# KiCad board mse-68-vhdci-panel.kicad_pcb (continued)
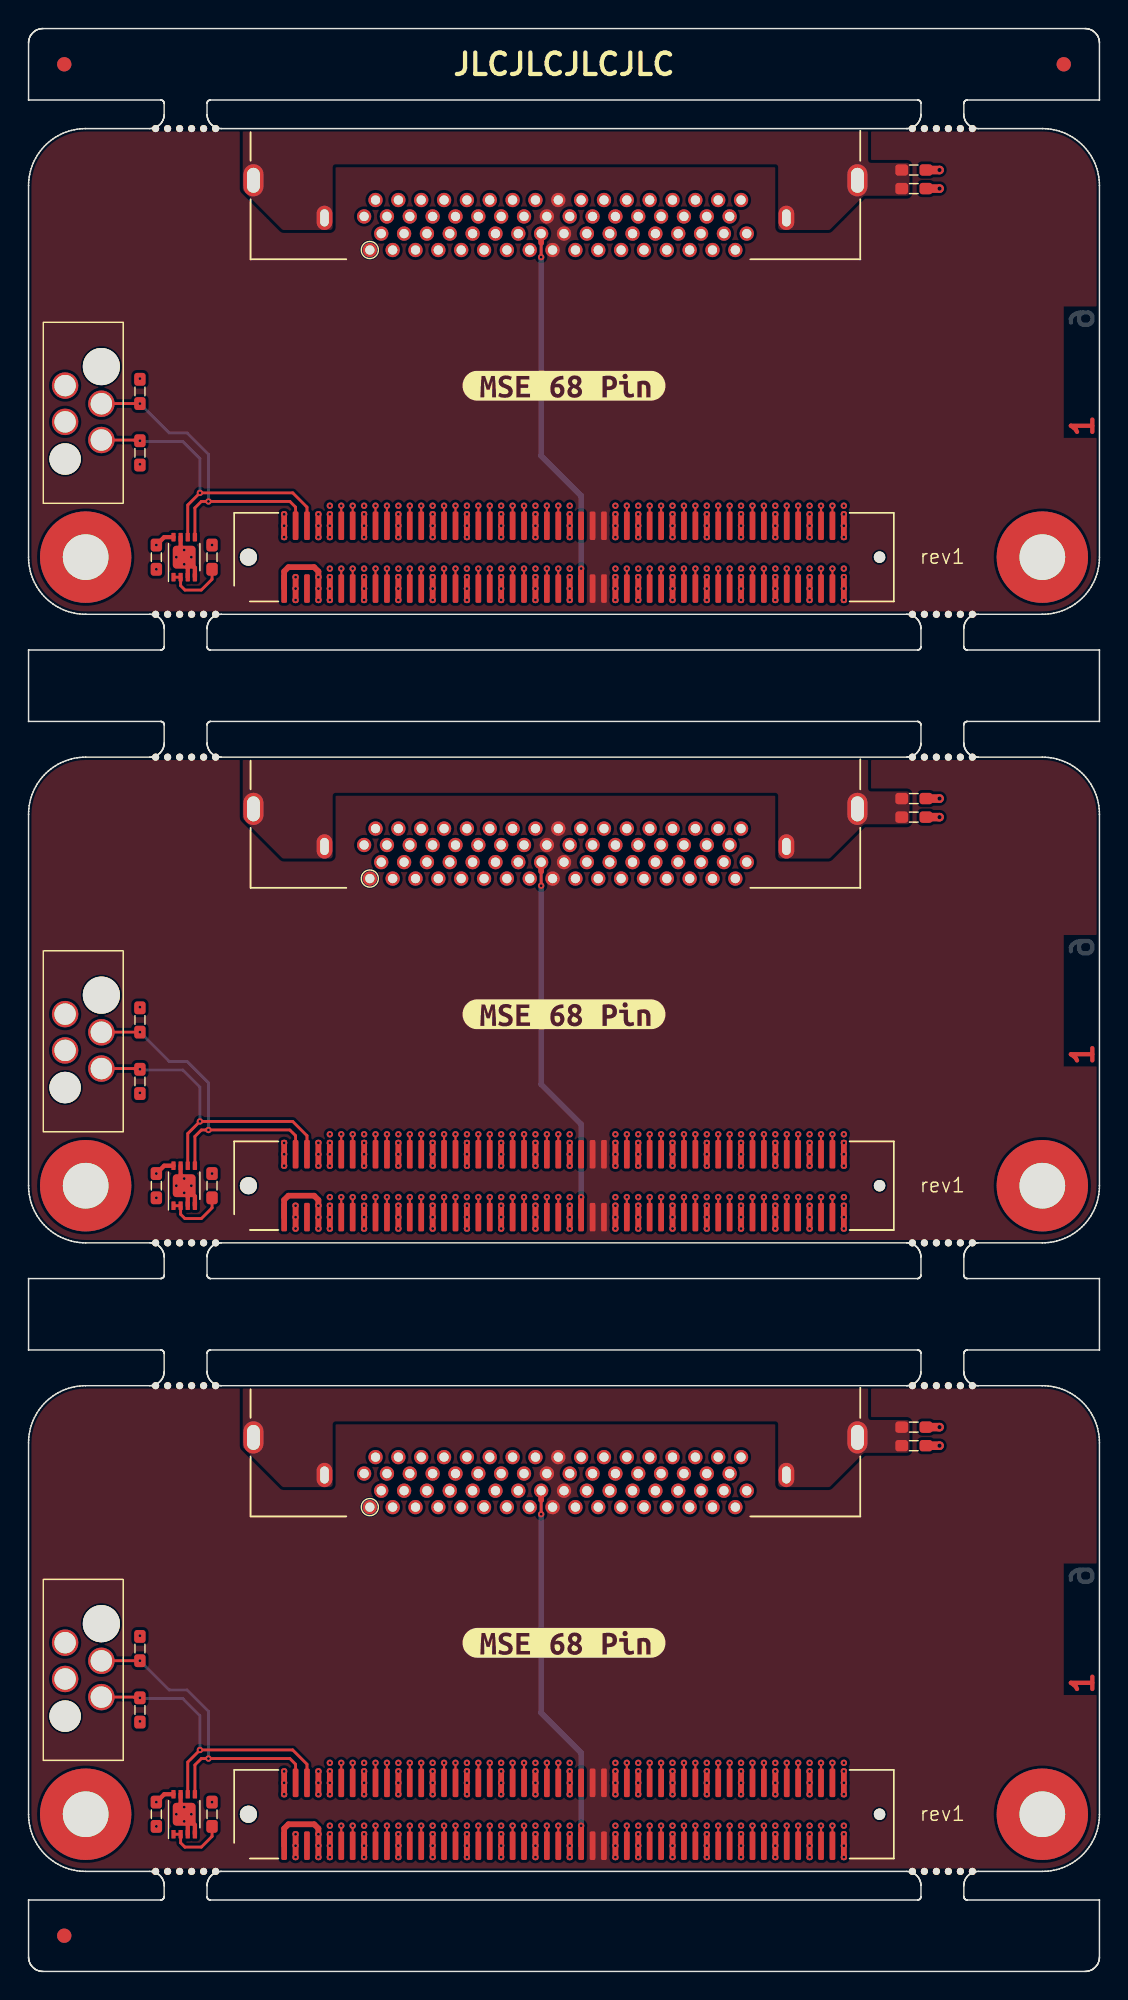
[diagram p0: board, top side]
## Routing (per net, layer and track width the routed paths; a pad name or vN(x,y) marks a point on that pad's centre or on a via; arc(x,y) is an arc through that point) (continued)
Board_0-/CON.I/O+: length 29.6
  Top w0.151: J1#2.85 v1(51.5,98.2)
  In3.Cu w0.151: v1(51.5,98.2) 51.1,98.6 51.1,103 47.3,106.8 47.3,109 arc(47.36,109.15) 47.51,109.22 arc(47.66,109.28) 47.73,109.43 47.73,109.6 arc(47.66,109.75) 47.51,109.82 arc(47.36,109.88) 47.3,110.03 47.3,110.2 arc(47.36,110.35) 47.51,110.42 arc(47.66,110.48) 47.73,110.63 47.73,110.8 arc(47.66,110.95) 47.51,111.02 arc(47.36,111.08) 47.3,111.23 47.3,111.4 arc(47.36,111.55) 47.51,111.62 arc(47.66,111.68) 47.73,111.83 47.73,112 arc(47.66,112.15) 47.51,112.22 arc(47.36,112.28) 47.3,112.43 47.3,112.6 arc(47.36,112.75) 47.51,112.82 arc(47.66,112.88) 47.73,113.03 47.73,113.2 arc(47.66,113.35) 47.51,113.42 arc(47.36,113.48) 47.3,113.63 47.3,113.8 arc(47.36,113.95) 47.51,114.02 arc(47.66,114.08) 47.73,114.23 47.73,114.4 arc(47.66,114.55) 47.51,114.62 arc(47.36,114.68) 47.3,114.83 47.3,115 arc(47.36,115.15) 47.51,115.22 arc(47.66,115.28) 47.73,115.43 47.73,115.6 arc(47.66,115.75) 47.51,115.82 arc(47.36,115.88) 47.3,116.03 47.3,120.1 47.1,120.3 J4#2.30
Board_0-/CON.I/O-: length 27
  Top w0.151: J1#2.86 v1(51.5,102.6)
  In2.Cu w0.151: v1(51.5,102.6) 47.3,106.8 47.3,109 arc(47.36,109.15) 47.51,109.21 arc(47.66,109.28) 47.72,109.43 47.72,109.6 arc(47.66,109.75) 47.51,109.81 arc(47.36,109.88) 47.3,110.03 47.3,110.2 arc(47.36,110.35) 47.51,110.41 arc(47.66,110.48) 47.72,110.63 47.72,110.8 arc(47.66,110.95) 47.51,111.01 arc(47.36,111.08) 47.3,111.23 47.3,111.4 arc(47.36,111.55) 47.51,111.61 arc(47.66,111.68) 47.72,111.83 47.72,112 arc(47.66,112.15) 47.51,112.21 arc(47.36,112.28) 47.3,112.43 47.3,112.6 arc(47.37,112.77) 47.54,112.84 47.55,112.84 arc(47.72,112.91) 47.79,113.08 47.79,113.2 arc(47.72,113.37) 47.55,113.44 47.54,113.44 arc(47.37,113.51) 47.3,113.68 47.3,120.7 46.5,121.5 46.5,122 46.7,122.2 J4#2.64
Board_0-/CON.MSG+: length 29.6
  Top w0.151: J1#2.73 v1(46.7,98.2)
  In3.Cu w0.151: J4#2.26 43.9,120.3 44.1,120.1 44.1,118.39 arc(44.16,118.26) 44.3,118.2 arc(44.44,118.14) 44.49,118 44.49,117.79 arc(44.44,117.66) 44.3,117.6 arc(44.16,117.54) 44.1,117.4 44.1,117.19 arc(44.16,117.06) 44.3,117 arc(44.44,116.94) 44.49,116.8 44.49,116.59 arc(44.44,116.46) 44.3,116.4 arc(44.16,116.34) 44.1,116.2 44.1,115.99 arc(44.16,115.86) 44.3,115.8 arc(44.44,115.74) 44.49,115.6 44.49,115.39 arc(44.44,115.26) 44.3,115.2 arc(44.16,115.14) 44.1,115 44.1,114.79 arc(44.16,114.66) 44.3,114.6 arc(44.44,114.54) 44.49,114.4 44.49,114.19 arc(44.44,114.06) 44.3,114 arc(44.16,113.94) 44.1,113.8 44.1,113.59 arc(44.16,113.46) 44.3,113.4 arc(44.44,113.34) 44.49,113.2 44.49,112.99 arc(44.44,112.86) 44.3,112.8 arc(44.16,112.74) 44.1,112.6 44.1,112.39 arc(44.16,112.26) 44.3,112.2 arc(44.44,112.14) 44.49,112 44.49,111.79 arc(44.44,111.66) 44.3,111.6 arc(44.16,111.54) 44.1,111.4 44.1,111.19 arc(44.16,111.06) 44.3,111 arc(44.44,110.94) 44.49,110.8 44.49,110.59 arc(44.44,110.46) 44.3,110.4 arc(44.16,110.34) 44.1,110.2 44.1,109.99 arc(44.16,109.86) 44.3,109.8 arc(44.44,109.74) 44.49,109.6 44.49,109.39 arc(44.44,109.26) 44.3,109.2 arc(44.16,109.14) 44.1,109 44.1,105.2 46.3,103 46.3,98.6 v1(46.7,98.2)
Board_0-/CON.MSG-: length 27
  Top w0.151: J1#2.74 v1(46.7,102.6)
  In2.Cu w0.151: v1(46.7,102.6) 44.1,105.2 44.1,109 arc(44.16,109.14) 44.3,109.2 arc(44.43,109.25) 44.49,109.39 44.49,109.6 arc(44.43,109.74) 44.3,109.8 arc(44.16,109.85) 44.1,109.99 44.1,110.2 arc(44.16,110.34) 44.3,110.4 arc(44.43,110.45) 44.49,110.59 44.49,110.8 arc(44.43,110.94) 44.3,111 arc(44.16,111.05) 44.1,111.19 44.1,111.4 arc(44.16,111.54) 44.3,111.6 arc(44.43,111.65) 44.49,111.79 44.49,112 arc(44.43,112.14) 44.3,112.2 arc(44.16,112.25) 44.1,112.39 44.1,112.6 arc(44.16,112.74) 44.3,112.8 arc(44.43,112.85) 44.49,112.99 44.49,113.2 arc(44.43,113.34) 44.3,113.4 arc(44.16,113.45) 44.1,113.59 44.1,113.8 arc(44.16,113.94) 44.3,114 arc(44.43,114.05) 44.49,114.19 44.49,114.4 arc(44.43,114.54) 44.3,114.6 arc(44.16,114.65) 44.1,114.79 44.1,115 arc(44.16,115.14) 44.3,115.2 arc(44.43,115.25) 44.49,115.39 44.49,115.6 arc(44.43,115.74) 44.3,115.8 arc(44.16,115.85) 44.1,115.99 44.1,120.7 43.3,121.5 43.3,122 43.5,122.2 J4#2.60
Board_0-/CON.REQ+: length 29.6
  Top w0.151: J1#2.83 v1(50.7,98.2)
  In3.Cu w0.151: v1(50.7,98.2) 50.39,98.51 50.39,102.91 46.9,106.4 46.9,109 arc(46.83,109.17) 46.66,109.24 46.64,109.24 arc(46.47,109.31) 46.4,109.48 46.4,109.6 arc(46.47,109.77) 46.64,109.84 46.66,109.84 arc(46.83,109.91) 46.9,110.08 46.9,110.2 arc(46.83,110.37) 46.66,110.44 46.64,110.44 arc(46.47,110.51) 46.4,110.68 46.4,110.8 arc(46.47,110.97) 46.64,111.04 46.66,111.04 arc(46.83,111.11) 46.9,111.28 46.9,111.4 arc(46.83,111.57) 46.66,111.64 46.64,111.64 arc(46.47,111.71) 46.4,111.88 46.4,112 arc(46.47,112.17) 46.64,112.24 46.66,112.24 arc(46.83,112.31) 46.9,112.48 46.9,112.6 arc(46.83,112.77) 46.66,112.84 46.64,112.84 arc(46.47,112.91) 46.4,113.08 46.4,113.2 arc(46.47,113.37) 46.64,113.44 46.66,113.44 arc(46.83,113.51) 46.9,113.68 46.9,113.8 arc(46.83,113.97) 46.66,114.04 46.64,114.04 arc(46.47,114.11) 46.4,114.28 46.4,114.4 arc(46.47,114.57) 46.64,114.64 46.66,114.64 arc(46.83,114.71) 46.9,114.88 46.9,115 arc(46.83,115.17) 46.66,115.24 46.64,115.24 arc(46.47,115.31) 46.4,115.48 46.4,115.6 arc(46.47,115.77) 46.64,115.84 46.66,115.84 arc(46.83,115.91) 46.9,116.08 46.9,116.2 arc(46.83,116.37) 46.66,116.44 46.64,116.44 arc(46.47,116.51) 46.4,116.68 46.4,116.8 arc(46.47,116.97) 46.64,117.04 46.66,117.04 arc(46.83,117.11) 46.9,117.28 46.9,119.9 J4#2.29
Board_0-/CON.REQ-: length 27
  Top w0.151: J1#2.84 v1(50.7,102.6)
  In2.Cu w0.151: J4#2.63 45.9,122.2 46.1,122 46.1,121.48 46.9,120.68 46.9,117.28 arc(46.83,117.11) 46.66,117.04 46.66,117.04 arc(46.49,116.97) 46.42,116.8 46.42,116.68 arc(46.49,116.51) 46.66,116.44 46.66,116.44 arc(46.83,116.37) 46.9,116.2 46.9,116.08 arc(46.83,115.91) 46.66,115.84 46.66,115.84 arc(46.49,115.77) 46.42,115.6 46.42,115.48 arc(46.49,115.31) 46.66,115.24 46.66,115.24 arc(46.83,115.17) 46.9,115 46.9,114.88 arc(46.83,114.71) 46.66,114.64 46.66,114.64 arc(46.49,114.57) 46.42,114.4 46.42,114.28 arc(46.49,114.11) 46.66,114.04 46.66,114.04 arc(46.83,113.97) 46.9,113.8 46.9,113.57 arc(46.85,113.44) 46.72,113.39 arc(46.59,113.33) 46.53,113.2 46.53,112.97 arc(46.59,112.84) 46.72,112.79 arc(46.85,112.73) 46.9,112.6 46.9,112.37 arc(46.85,112.24) 46.72,112.19 arc(46.59,112.13) 46.53,112 46.53,111.77 arc(46.59,111.64) 46.72,111.59 arc(46.85,111.53) 46.9,111.4 46.9,111.17 arc(46.85,111.04) 46.72,110.99 arc(46.59,110.93) 46.53,110.8 46.53,110.57 arc(46.59,110.44) 46.72,110.39 arc(46.85,110.33) 46.9,110.2 46.9,109.97 arc(46.85,109.84) 46.72,109.79 arc(46.59,109.73) 46.53,109.6 46.53,109.37 arc(46.59,109.24) 46.72,109.19 arc(46.85,109.13) 46.9,109 46.9,106.4 v1(50.7,102.6)
Board_0-/CON.RST+: length 29.6
  Top w0.151: J1#2.71 v1(45.9,98.2)
  In3.Cu w0.151: J4#2.25 43.7,119.9 43.7,118.67 arc(43.63,118.51) 43.46,118.44 arc(43.3,118.37) 43.23,118.2 43.23,118.07 arc(43.3,117.91) 43.46,117.84 arc(43.63,117.77) 43.7,117.6 43.7,117.47 arc(43.63,117.31) 43.46,117.24 arc(43.3,117.17) 43.23,117 43.23,116.87 arc(43.3,116.71) 43.46,116.64 arc(43.63,116.57) 43.7,116.4 43.7,116.27 arc(43.63,116.11) 43.46,116.04 arc(43.3,115.97) 43.23,115.8 43.23,115.67 arc(43.3,115.51) 43.46,115.44 arc(43.63,115.37) 43.7,115.2 43.7,115.07 arc(43.63,114.91) 43.46,114.84 arc(43.3,114.77) 43.23,114.6 43.23,114.47 arc(43.3,114.31) 43.46,114.24 arc(43.63,114.17) 43.7,114 43.7,113.87 arc(43.63,113.71) 43.46,113.64 arc(43.3,113.57) 43.23,113.4 43.23,113.27 arc(43.3,113.11) 43.46,113.04 arc(43.63,112.97) 43.7,112.8 43.7,112.67 arc(43.63,112.51) 43.46,112.44 arc(43.3,112.37) 43.23,112.2 43.23,112.07 arc(43.3,111.91) 43.46,111.84 arc(43.63,111.77) 43.7,111.6 43.7,111.47 arc(43.63,111.31) 43.46,111.24 arc(43.3,111.17) 43.23,111 43.23,110.87 arc(43.3,110.71) 43.46,110.64 arc(43.63,110.57) 43.7,110.4 43.7,110.27 arc(43.63,110.11) 43.46,110.04 arc(43.3,109.97) 43.23,109.8 43.23,109.67 arc(43.3,109.51) 43.46,109.44 arc(43.63,109.37) 43.7,109.2 43.7,108.96 arc(43.65,108.83) 43.52,108.78 arc(43.39,108.73) 43.34,108.6 43.34,108.36 arc(43.39,108.23) 43.52,108.18 arc(43.65,108.13) 43.7,108 43.7,104.8 45.59,102.91 45.59,102.41 45.6,102.4 45.59,102.39 45.59,98.51 v1(45.9,98.2)
Board_0-/CON.RST-: length 27
  Top w0.151: J1#2.72 v1(45.9,102.6)
  In2.Cu w0.151: v1(45.9,102.6) 43.7,104.8 43.7,108 arc(43.64,108.14) 43.51,108.19 arc(43.38,108.25) 43.32,108.38 43.32,108.6 arc(43.38,108.74) 43.51,108.79 arc(43.64,108.85) 43.7,108.98 43.7,109.2 arc(43.64,109.35) 43.49,109.42 arc(43.34,109.48) 43.27,109.63 43.27,109.8 arc(43.34,109.95) 43.49,110.02 arc(43.64,110.08) 43.7,110.23 43.7,110.4 arc(43.64,110.55) 43.49,110.62 arc(43.34,110.68) 43.27,110.83 43.27,111 arc(43.34,111.15) 43.49,111.22 arc(43.64,111.28) 43.7,111.43 43.7,111.6 arc(43.64,111.75) 43.49,111.82 arc(43.34,111.88) 43.27,112.03 43.27,112.2 arc(43.34,112.35) 43.49,112.42 arc(43.64,112.48) 43.7,112.63 43.7,112.8 arc(43.64,112.95) 43.49,113.02 arc(43.34,113.08) 43.27,113.23 43.27,113.4 arc(43.34,113.55) 43.49,113.62 arc(43.64,113.68) 43.7,113.83 43.7,114 arc(43.64,114.15) 43.49,114.22 arc(43.34,114.28) 43.27,114.43 43.27,114.6 arc(43.34,114.75) 43.49,114.82 arc(43.64,114.88) 43.7,115.03 43.7,115.2 arc(43.63,115.37) 43.46,115.44 43.45,115.44 arc(43.28,115.51) 43.21,115.68 43.21,115.8 arc(43.28,115.97) 43.45,116.04 43.46,116.04 arc(43.63,116.11) 43.7,116.28 43.7,116.4 arc(43.63,116.57) 43.46,116.64 43.45,116.64 arc(43.28,116.71) 43.21,116.88 43.21,117 arc(43.28,117.17) 43.45,117.24 43.46,117.24 arc(43.63,117.31) 43.7,117.48 43.7,120.68 42.9,121.48 42.9,122 42.7,122.2 J4#2.59
Board_0-/CON.SEL+: length 29.6
  Top w0.151: J1#2.77 v1(48.3,98.2)
  In3.Cu w0.151: v1(48.3,98.2) 48,98.5 48,102.9 45.3,105.6 45.3,109 arc(45.23,109.17) 45.06,109.24 45.06,109.24 arc(44.89,109.31) 44.82,109.48 44.82,109.6 arc(44.89,109.77) 45.06,109.84 45.06,109.84 arc(45.23,109.91) 45.3,110.08 45.3,110.2 arc(45.23,110.37) 45.06,110.44 45.06,110.44 arc(44.89,110.51) 44.82,110.68 44.82,110.8 arc(44.89,110.97) 45.06,111.04 45.06,111.04 arc(45.23,111.11) 45.3,111.28 45.3,111.4 arc(45.23,111.57) 45.06,111.64 45.06,111.64 arc(44.89,111.71) 44.82,111.88 44.82,112 arc(44.89,112.17) 45.06,112.24 45.06,112.24 arc(45.23,112.31) 45.3,112.48 45.3,112.6 arc(45.23,112.77) 45.06,112.84 45.06,112.84 arc(44.89,112.91) 44.82,113.08 44.82,113.2 arc(44.89,113.37) 45.06,113.44 45.06,113.44 arc(45.23,113.51) 45.3,113.68 45.3,113.8 arc(45.23,113.97) 45.06,114.04 45.06,114.04 arc(44.89,114.11) 44.82,114.28 44.82,114.4 arc(44.89,114.57) 45.06,114.64 45.06,114.64 arc(45.23,114.71) 45.3,114.88 45.3,115 arc(45.23,115.17) 45.06,115.24 45.06,115.24 arc(44.89,115.31) 44.82,115.48 44.82,115.6 arc(44.89,115.77) 45.06,115.84 45.06,115.84 arc(45.23,115.91) 45.3,116.08 45.3,116.2 arc(45.23,116.37) 45.06,116.44 45.06,116.44 arc(44.89,116.51) 44.82,116.68 44.82,116.8 arc(44.89,116.97) 45.06,117.04 45.06,117.04 arc(45.23,117.11) 45.3,117.28 45.3,117.4 arc(45.23,117.57) 45.06,117.64 45.06,117.64 arc(44.89,117.71) 44.82,117.88 44.82,118 arc(44.89,118.17) 45.06,118.24 45.06,118.24 arc(45.23,118.31) 45.3,118.48 45.3,119.9 J4#2.27
Board_0-/CON.SEL-: length 27
  Top w0.151: J1#2.78 v1(48.3,102.6)
  In2.Cu w0.151: v1(48.3,102.6) 45.3,105.6 45.3,109 arc(45.23,109.16) 45.07,109.23 arc(44.91,109.3) 44.84,109.46 44.84,109.6 arc(44.91,109.76) 45.07,109.83 arc(45.23,109.9) 45.3,110.06 45.3,110.2 arc(45.23,110.36) 45.07,110.43 arc(44.91,110.5) 44.84,110.66 44.84,110.8 arc(44.91,110.96) 45.07,111.03 arc(45.23,111.1) 45.3,111.26 45.3,111.4 arc(45.23,111.56) 45.07,111.63 arc(44.91,111.7) 44.84,111.86 44.84,112 arc(44.91,112.16) 45.07,112.23 arc(45.23,112.3) 45.3,112.46 45.3,112.6 arc(45.23,112.76) 45.07,112.83 arc(44.91,112.9) 44.84,113.06 44.84,113.2 arc(44.91,113.36) 45.07,113.43 arc(45.23,113.5) 45.3,113.66 45.3,113.8 arc(45.23,113.96) 45.07,114.03 arc(44.91,114.1) 44.84,114.26 44.84,114.4 arc(44.91,114.56) 45.07,114.63 arc(45.23,114.7) 45.3,114.86 45.3,115 arc(45.23,115.16) 45.07,115.23 arc(44.91,115.3) 44.84,115.46 44.84,115.6 arc(44.91,115.76) 45.07,115.83 arc(45.23,115.9) 45.3,116.06 45.3,116.2 arc(45.23,116.36) 45.07,116.43 arc(44.91,116.5) 44.84,116.66 44.84,116.8 arc(44.91,116.96) 45.07,117.03 arc(45.23,117.1) 45.3,117.26 45.3,120.68 44.5,121.48 44.5,122 44.3,122.2 J4#2.61
Board_0-/PHY.ID_SCL: length 22.5
  Top w0.2: U1.6 11.15,102.65 v1(12,103.5) 18.5,103.5 19.5,102.5 J1#2.6 ; v1(7.8,107.15) 7.45,107.15 7.4,107.2 J3.4
  Bottom w0.2: v1(7.8,107.15) 7.85,107.1 10.8,107.1 12,105.9 v1(12,103.5)
Board_0-/PHY.ID_SDA: length 23
  Top w0.2: J3.2 5.11,109.75 v1(7.8,109.75) ; U1.5 11.65,102.45 12.1,102.9 18.3,102.9 18.7,102.5 J1#2.4
  Bottom w0.2: v1(7.8,109.75) 9.85,107.7 11.1,107.7 12.6,106.2 v1(12.6,102.9)
Board_0-GND: length 9.9
  Top w0.3: U1.4 11.65,98.25 U1.EP ; U1.3 11.15,98.25 v1(10.9,98.5) ; U1.7 10.65,99.75 v1(10.9,99.5)
  Top w0.4: J1#2.1 17.9,98 18.2,98.3 20,98.3 20.3,98 v1(20.3,97.6)
  Top w0.6: C2#2.1 v2(63.8,126.1) ; R4#2.2 v2(63.8,124.8)
  vias: v1(8.95,98.15) v1(10.35,99) v1(11.4,99) v1(17.9,102) v1(17.9,101.2) v1(17.9,100.4) v1(20.3,102) v1(20.3,101.2) v1(20.3,100.4) v1(20.3,96.8) v1(20.3,96) v1(21.1,102.6) v1(21.1,102) v1(21.1,101.2) v1(21.1,100.4) v1(21.1,98.2) v1(21.1,97.6) v1(21.1,96.8) v1(21.1,96) v1(23.5,102.6) v1(23.5,102) v1(23.5,101.2) v1(23.5,100.4) v1(23.5,98.2) v1(23.5,97.6) v1(23.5,96.8) v1(23.5,96) v1(25.9,102.6) v1(25.9,102) v1(25.9,101.2) v1(25.9,100.4) v1(25.9,98.2) v1(25.9,97.6) v1(25.9,96.8) v1(25.9,96) v1(28.3,102.6) v1(28.3,102) v1(28.3,101.2) v1(28.3,100.4) v1(28.3,98.2) v1(28.3,97.6) v1(28.3,96.8) v1(28.3,96) v1(30.7,102.6) v1(30.7,102) v1(30.7,101.2) v1(30.7,100.4) v1(30.7,98.2) v1(30.7,97.6) v1(30.7,96.8) v1(30.7,96) v1(33.1,102.6) v1(33.1,102) v1(33.1,101.2) v1(33.1,100.4) v1(33.1,98.2) v1(33.1,97.6) v1(33.1,96.8) v1(33.1,96) v1(35.5,102.6) v1(35.5,102) v1(35.5,101.2) v1(35.5,100.4) v1(35.5,98.2) v1(35.5,97.6) v1(35.5,96.8) v1(35.5,96) v1(37.9,102.6) v1(37.9,102) v1(37.9,101.2) v1(37.9,100.4) v1(37.9,98.2) v1(37.9,97.6) v1(37.9,96.8) v1(37.9,96) v1(41.1,102.6) v1(41.1,102) v1(41.1,101.2) v1(41.1,100.4) v1(41.1,98.2) v1(41.1,97.6) v1(41.1,96.8) v1(41.1,96) v1(42.7,102.6) v1(42.7,102) v1(42.7,101.2) v1(42.7,100.4) v1(42.7,98.2) v1(42.7,97.6) v1(42.7,96.8) v1(42.7,96) v1(45.1,102.6) v1(45.1,102) v1(45.1,101.2) v1(45.1,100.4) v1(45.1,98.2) v1(45.1,97.6) v1(45.1,96.8) v1(45.1,96) v1(47.5,102.6) v1(47.5,102) v1(47.5,101.2) v1(47.5,100.4) v1(47.5,98.2) v1(47.5,97.6) v1(47.5,96.8) v1(47.5,96) v1(49.9,102.6) v1(49.9,102) v1(49.9,101.2) v1(49.9,100.4) v1(49.9,98.2) v1(49.9,97.6) v1(49.9,96.8) v1(49.9,96) v1(52.3,102.6) v1(52.3,102) v1(52.3,101.2) v1(52.3,100.4) v1(52.3,98.2) v1(52.3,97.6) v1(52.3,96.8) v1(52.3,96) v1(54.7,102.6) v1(54.7,102) v1(54.7,101.2) v1(54.7,100.4) v1(54.7,98.2) v1(54.7,97.6) v1(54.7,96.8) v1(54.7,96) v1(57.1,102.6) v1(57.1,102) v1(57.1,101.2) v1(57.1,100.4) v1(57.1,98.2) v1(57.1,97.6) v1(57.1,96.8) v1(57.1,96)
Board_0-Net-(U1-E0): length 4.4
  Top w0.2: R1#3.1 12.85,97.45 12.1,96.7 10.95,96.7 10.65,97 U1.2 U1.1
Board_1-+3V3: length 1.4
  Top w0.3: v1(8.95,55.85) 9.5,56.4 U1#3.8
  vias: v1(7.8,67.5) v1(7.8,61.5) v1(12.85,55.85) v1(18.7,53.6) v1(18.7,52.8) v1(18.7,52)
Board_1-/CON.ACK+: length 29.6
  Top w0.151: J1#3.67 v1(44.3,54.2)
  In3.Cu w0.151: v1(44.3,54.2) 43.9,54.6 43.9,59 42.5,60.4 42.5,64 arc(42.57,64.17) 42.74,64.24 42.74,64.24 arc(42.91,64.31) 42.98,64.48 42.98,64.6 arc(42.91,64.77) 42.74,64.84 42.74,64.84 arc(42.57,64.91) 42.5,65.08 42.5,65.2 arc(42.56,65.35) 42.71,65.41 arc(42.86,65.47) 42.92,65.62 42.92,65.8 arc(42.86,65.95) 42.71,66.01 arc(42.56,66.07) 42.5,66.22 42.5,66.4 arc(42.56,66.55) 42.71,66.61 arc(42.86,66.67) 42.92,66.82 42.92,67 arc(42.86,67.15) 42.71,67.21 arc(42.56,67.27) 42.5,67.42 42.5,67.6 arc(42.56,67.75) 42.71,67.81 arc(42.86,67.87) 42.92,68.02 42.92,68.2 arc(42.86,68.35) 42.71,68.41 arc(42.56,68.47) 42.5,68.62 42.5,68.8 arc(42.56,68.95) 42.71,69.01 arc(42.86,69.07) 42.92,69.22 42.92,69.4 arc(42.86,69.55) 42.71,69.61 arc(42.56,69.67) 42.5,69.82 42.5,70 arc(42.56,70.15) 42.71,70.21 arc(42.86,70.27) 42.92,70.42 42.92,70.6 arc(42.86,70.75) 42.71,70.81 arc(42.56,70.87) 42.5,71.02 42.5,71.2 arc(42.56,71.35) 42.71,71.41 arc(42.86,71.47) 42.92,71.62 42.92,71.8 arc(42.86,71.95) 42.71,72.01 arc(42.56,72.07) 42.5,72.22 42.5,72.4 arc(42.56,72.55) 42.71,72.61 arc(42.86,72.67) 42.92,72.82 42.92,73 arc(42.86,73.15) 42.71,73.21 arc(42.56,73.27) 42.5,73.42 42.5,76.1 42.3,76.3 J4#3.24
Board_1-/CON.ACK-: length 27
  Top w0.151: J1#3.68 v1(44.3,58.6)
  In2.Cu w0.151: v1(44.3,58.6) 42.5,60.4 42.5,64 arc(42.57,64.17) 42.74,64.24 42.75,64.24 arc(42.92,64.31) 42.99,64.48 42.99,64.6 arc(42.92,64.77) 42.75,64.84 42.74,64.84 arc(42.57,64.91) 42.5,65.08 42.5,65.2 arc(42.56,65.35) 42.71,65.42 arc(42.87,65.48) 42.93,65.63 42.93,65.8 arc(42.87,65.95) 42.71,66.02 arc(42.56,66.08) 42.5,66.23 42.5,66.4 arc(42.56,66.55) 42.71,66.62 arc(42.87,66.68) 42.93,66.83 42.93,67 arc(42.87,67.15) 42.71,67.22 arc(42.56,67.28) 42.5,67.43 42.5,67.6 arc(42.56,67.75) 42.71,67.82 arc(42.87,67.88) 42.93,68.03 42.93,68.2 arc(42.87,68.35) 42.71,68.42 arc(42.56,68.48) 42.5,68.63 42.5,68.8 arc(42.56,68.95) 42.71,69.02 arc(42.87,69.08) 42.93,69.23 42.93,69.4 arc(42.87,69.55) 42.71,69.62 arc(42.56,69.68) 42.5,69.83 42.5,70 arc(42.56,70.15) 42.71,70.22 arc(42.87,70.28) 42.93,70.43 42.93,70.6 arc(42.87,70.75) 42.71,70.82 arc(42.56,70.88) 42.5,71.03 42.5,76.7 41.7,77.5 41.7,78 41.9,78.2 J4#3.58
Board_1-/CON.ATN+: length 29.6
  Top w0.151: J1#3.61 v1(41.9,54.2)
  In3.Cu w0.151: v1(41.9,54.2) 41.6,54.5 41.6,58.9 40.5,60 40.5,64 arc(40.43,64.17) 40.26,64.24 40.25,64.24 arc(40.08,64.31) 40.01,64.48 40.01,64.6 arc(40.08,64.77) 40.25,64.84 40.26,64.84 arc(40.43,64.91) 40.5,65.08 40.5,65.2 arc(40.43,65.37) 40.26,65.44 40.25,65.44 arc(40.08,65.51) 40.01,65.68 40.01,65.8 arc(40.08,65.97) 40.25,66.04 40.26,66.04 arc(40.43,66.11) 40.5,66.28 40.5,66.4 arc(40.43,66.57) 40.26,66.64 40.25,66.64 arc(40.08,66.71) 40.01,66.88 40.01,67 arc(40.08,67.17) 40.25,67.24 40.26,67.24 arc(40.43,67.31) 40.5,67.48 40.5,67.6 arc(40.43,67.77) 40.26,67.84 40.25,67.84 arc(40.08,67.91) 40.01,68.08 40.01,68.2 arc(40.08,68.37) 40.25,68.44 40.26,68.44 arc(40.43,68.51) 40.5,68.68 40.5,68.8 arc(40.43,68.97) 40.26,69.04 40.25,69.04 arc(40.08,69.11) 40.01,69.28 40.01,69.4 arc(40.08,69.57) 40.25,69.64 40.26,69.64 arc(40.43,69.71) 40.5,69.88 40.5,70 arc(40.43,70.17) 40.26,70.24 40.25,70.24 arc(40.08,70.31) 40.01,70.48 40.01,70.6 arc(40.08,70.77) 40.25,70.84 40.26,70.84 arc(40.43,70.91) 40.5,71.08 40.5,71.2 arc(40.43,71.37) 40.26,71.44 40.25,71.44 arc(40.08,71.51) 40.01,71.68 40.01,71.8 arc(40.08,71.97) 40.25,72.04 40.26,72.04 arc(40.43,72.11) 40.5,72.28 40.5,72.4 arc(40.43,72.57) 40.26,72.64 40.25,72.64 arc(40.08,72.71) 40.01,72.88 40.01,73 arc(40.08,73.17) 40.25,73.24 40.26,73.24 arc(40.43,73.31) 40.5,73.48 40.5,73.6 arc(40.43,73.77) 40.26,73.84 40.25,73.84 arc(40.08,73.91) 40.01,74.08 40.01,74.2 arc(40.08,74.37) 40.25,74.44 40.26,74.44 arc(40.43,74.51) 40.5,74.68 40.5,75.9 J4#3.21
Board_1-/CON.ATN-: length 27
  Top w0.151: J1#3.62 v1(41.9,58.6)
  In2.Cu w0.151: J4#3.55 39.5,78.2 39.7,78 39.7,77.5 40.5,76.7 40.5,73.48 arc(40.43,73.31) 40.26,73.24 arc(40.1,73.17) 40.03,73 40.03,72.88 arc(40.1,72.71) 40.26,72.64 arc(40.43,72.57) 40.5,72.4 40.5,72.28 arc(40.43,72.11) 40.26,72.04 arc(40.1,71.97) 40.03,71.8 40.03,71.68 arc(40.1,71.51) 40.26,71.44 arc(40.43,71.37) 40.5,71.2 40.5,71.08 arc(40.43,70.91) 40.26,70.84 arc(40.1,70.77) 40.03,70.6 40.03,70.48 arc(40.1,70.31) 40.26,70.24 arc(40.43,70.17) 40.5,70 40.5,69.88 arc(40.43,69.71) 40.26,69.64 arc(40.1,69.57) 40.03,69.4 40.03,69.28 arc(40.1,69.11) 40.26,69.04 arc(40.43,68.97) 40.5,68.8 40.5,68.68 arc(40.43,68.51) 40.26,68.44 arc(40.1,68.37) 40.03,68.2 40.03,68.08 arc(40.1,67.91) 40.26,67.84 arc(40.43,67.77) 40.5,67.6 40.5,67.48 arc(40.43,67.31) 40.26,67.24 arc(40.1,67.17) 40.03,67 40.03,66.88 arc(40.1,66.71) 40.26,66.64 arc(40.43,66.57) 40.5,66.4 40.5,66.28 arc(40.43,66.11) 40.26,66.04 arc(40.1,65.97) 40.03,65.8 40.03,65.68 arc(40.1,65.51) 40.26,65.44 arc(40.43,65.37) 40.5,65.2 40.5,65.08 arc(40.43,64.91) 40.26,64.84 arc(40.1,64.77) 40.03,64.6 40.03,64.48 arc(40.1,64.31) 40.26,64.24 arc(40.43,64.17) 40.5,64 40.5,60 v1(41.9,58.6)
Board_1-/CON.BSY+: length 29.6
  Top w0.151: J1#3.65 v1(43.5,54.2)
  In3.Cu w0.151: J4#3.23 42.1,75.9 42.1,74.68 arc(42.03,74.51) 41.86,74.44 41.85,74.44 arc(41.68,74.37) 41.61,74.2 41.61,74.08 arc(41.68,73.91) 41.85,73.84 41.86,73.84 arc(42.03,73.77) 42.1,73.6 42.1,73.48 arc(42.03,73.31) 41.86,73.24 41.85,73.24 arc(41.68,73.17) 41.61,73 41.61,72.88 arc(41.68,72.71) 41.85,72.64 41.86,72.64 arc(42.03,72.57) 42.1,72.4 42.1,72.28 arc(42.03,72.11) 41.86,72.04 41.85,72.04 arc(41.68,71.97) 41.61,71.8 41.61,71.68 arc(41.68,71.51) 41.85,71.44 41.86,71.44 arc(42.03,71.37) 42.1,71.2 42.1,71.08 arc(42.03,70.91) 41.86,70.84 41.85,70.84 arc(41.68,70.77) 41.61,70.6 41.61,70.48 arc(41.68,70.31) 41.85,70.24 41.86,70.24 arc(42.03,70.17) 42.1,70 42.1,69.88 arc(42.03,69.71) 41.86,69.64 41.85,69.64 arc(41.68,69.57) 41.61,69.4 41.61,69.28 arc(41.68,69.11) 41.85,69.04 41.86,69.04 arc(42.03,68.97) 42.1,68.8 42.1,68.68 arc(42.03,68.51) 41.86,68.44 41.85,68.44 arc(41.68,68.37) 41.61,68.2 41.61,68.08 arc(41.68,67.91) 41.85,67.84 41.86,67.84 arc(42.03,67.77) 42.1,67.6 42.1,67.48 arc(42.03,67.31) 41.86,67.24 41.85,67.24 arc(41.68,67.17) 41.61,67 41.61,66.88 arc(41.68,66.71) 41.85,66.64 41.86,66.64 arc(42.03,66.57) 42.1,66.4 42.1,66.28 arc(42.03,66.11) 41.86,66.04 41.85,66.04 arc(41.68,65.97) 41.61,65.8 41.61,65.68 arc(41.68,65.51) 41.85,65.44 41.86,65.44 arc(42.03,65.37) 42.1,65.2 42.1,65.08 arc(42.03,64.91) 41.86,64.84 41.85,64.84 arc(41.68,64.77) 41.61,64.6 41.61,64.48 arc(41.68,64.31) 41.85,64.24 41.86,64.24 arc(42.03,64.17) 42.1,64 42.1,60 43.2,58.9 43.2,54.5 v1(43.5,54.2)
Board_1-/CON.BSY-: length 27
  Top w0.151: J1#3.66 v1(43.5,58.6)
  In2.Cu w0.151: J4#3.57 41.1,78.2 41.3,78 41.3,77.48 42.1,76.68 42.1,73.48 arc(42.03,73.31) 41.86,73.24 arc(41.7,73.17) 41.63,73 41.63,72.88 arc(41.7,72.71) 41.86,72.64 arc(42.03,72.57) 42.1,72.4 42.1,72.28 arc(42.03,72.11) 41.86,72.04 arc(41.7,71.97) 41.63,71.8 41.63,71.68 arc(41.7,71.51) 41.86,71.44 arc(42.03,71.37) 42.1,71.2 42.1,71.08 arc(42.03,70.91) 41.86,70.84 arc(41.7,70.77) 41.63,70.6 41.63,70.48 arc(41.7,70.31) 41.86,70.24 arc(42.03,70.17) 42.1,70 42.1,69.88 arc(42.03,69.71) 41.86,69.64 arc(41.7,69.57) 41.63,69.4 41.63,69.28 arc(41.7,69.11) 41.86,69.04 arc(42.03,68.97) 42.1,68.8 42.1,68.68 arc(42.03,68.51) 41.86,68.44 arc(41.7,68.37) 41.63,68.2 41.63,68.08 arc(41.7,67.91) 41.86,67.84 arc(42.03,67.77) 42.1,67.6 42.1,67.48 arc(42.03,67.31) 41.86,67.24 arc(41.7,67.17) 41.63,67 41.63,66.88 arc(41.7,66.71) 41.86,66.64 arc(42.03,66.57) 42.1,66.4 42.1,66.28 arc(42.03,66.11) 41.86,66.04 arc(41.7,65.97) 41.63,65.8 41.63,65.68 arc(41.7,65.51) 41.86,65.44 arc(42.03,65.37) 42.1,65.2 42.1,65.08 arc(42.03,64.91) 41.86,64.84 arc(41.7,64.77) 41.63,64.6 41.63,64.48 arc(41.7,64.31) 41.86,64.24 arc(42.03,64.17) 42.1,64 42.1,60 v1(43.5,58.6)
Board_1-/CON.C/D+: length 29.6
  Top w0.151: J1#3.79 v1(49.1,54.2)
  In3.Cu w0.151: v1(49.1,54.2) 48.7,54.6 48.7,59 45.7,62 45.7,65 arc(45.75,65.12) 45.87,65.17 arc(45.99,65.22) 46.04,65.34 46.04,65.6 arc(45.99,65.72) 45.87,65.77 arc(45.75,65.82) 45.7,65.94 45.7,66.2 arc(45.75,66.32) 45.87,66.37 arc(45.99,66.42) 46.04,66.54 46.04,66.8 arc(45.99,66.92) 45.87,66.97 arc(45.75,67.02) 45.7,67.14 45.7,67.4 arc(45.75,67.52) 45.87,67.57 arc(45.99,67.62) 46.04,67.74 46.04,68 arc(45.99,68.12) 45.87,68.17 arc(45.75,68.22) 45.7,68.34 45.7,68.6 arc(45.75,68.72) 45.87,68.77 arc(45.99,68.82) 46.04,68.94 46.04,69.2 arc(45.99,69.32) 45.87,69.37 arc(45.75,69.42) 45.7,69.54 45.7,69.8 arc(45.75,69.92) 45.87,69.97 arc(45.99,70.02) 46.04,70.14 46.04,70.4 arc(45.99,70.52) 45.87,70.57 arc(45.75,70.62) 45.7,70.74 45.7,71 arc(45.75,71.12) 45.87,71.17 arc(45.99,71.22) 46.04,71.34 46.04,71.6 arc(45.99,71.72) 45.87,71.77 arc(45.75,71.82) 45.7,71.94 45.7,72.2 arc(45.75,72.32) 45.87,72.37 arc(45.99,72.42) 46.04,72.54 46.04,72.8 arc(45.99,72.92) 45.87,72.97 arc(45.75,73.02) 45.7,73.14 45.7,73.4 arc(45.77,73.56) 45.93,73.63 arc(46.09,73.7) 46.16,73.86 46.16,74 arc(46.09,74.16) 45.93,74.23 arc(45.77,74.3) 45.7,74.46 45.7,76.1 45.5,76.3 J4#3.28
